# Allegro board 8880F5-0827_6.brd (continued)
## Routing (per net, layer and track width the routed paths; a pad name or vN(x,y) marks a point on that pad's centre or on a via; arc(x,y) is an arc through that point) (continued)
104.14,36.37 ; D132.A8 103.33,35.56 ; 342.9,395.43 D116.A3 ; D116.A3 342.9,397.05 ; D116.A3 342.09,396.24 ; D116.A3 343.71,396.24 ; D115.A12 320.85,373.38 ; D115.A12 320.04,372.57 ; D115.A12 320.04,374.19 ; D115.A12 319.23,373.38 ; D119.B14 193.04,61.77 ; D119.B14 193.04,60.15 ; D119.B14 193.85,60.96 ; D119.B14 192.23,60.96 ; D107.B6 393.7,61.77 ; D107.B6 392.89,60.96 ; D107.B6 393.7,60.15 ; D107.B6 394.51,60.96 ; 39.83,35.56 D128.A12 ; D128.A12 40.64,34.75 ; D128.A12 40.64,36.37 ; D128.A12 41.45,35.56 ; D111.A10 399.59,373.38 ; D111.A10 398.78,374.19 ; D111.A10 397.97,373.38 ; D111.A10 398.78,372.57 ; D113.A10 325.12,333.55 ; D113.A10 324.31,332.74 ; D113.A10 325.93,332.74 ; D113.A10 325.12,331.93 ; 44.91,81.28 D126.B14 ; D126.B14 45.72,82.09 ; D126.B14 46.53,81.28 ; D126.B14 45.72,80.47 ; 321.77,375.92 D115.A11 ; D115.A11 323.39,375.92 ; D115.A11 322.58,376.73 ; D115.A11 322.58,375.11 ; 309.88,387.81 D116.B16 ; D116.B16 309.07,388.62 ; D116.B16 309.88,389.43 ; D116.B16 310.69,388.62 ; CSDPS229.B4 193.04,333.55 ; CSDPS229.B4 192.23,332.74 ; CSDPS229.B4 193.85,332.74 ; CSDPS229.B4 193.04,331.93 ; 342.09,38.1 D104.B15 ; D104.B15 342.9,38.91 ; D104.B15 343.71,38.1 ; D104.B15 342.9,37.29 ; 419.1,34.75 D108.A16 ; D108.A16 419.1,36.37 ; D108.A16 418.29,35.56 ; D108.A16 419.91,35.56 ; D113.B15 313.23,330.2 ; D113.B15 312.42,331.01 ; D113.B15 312.42,329.39 ; D113.B15 311.61,330.2 ; 27.13,53.34 D127.A7 ; D127.A7 27.94,54.15 ; D127.A7 28.75,53.34 ; D127.A7 27.94,52.53 ; D106.A10 403.86,77.01 ; D106.A10 404.67,76.2 ; D106.A10 403.86,75.39 ; D106.A10 403.05,76.2 ; D123.A2 236.22,56.69 ; D123.A2 237.03,55.88 ; D123.A2 235.41,55.88 ; D123.A2 236.22,55.07 ; CSDPS225.C13 243.84,331.01 ; CSDPS225.C13 243.03,330.2 ; CSDPS225.C13 244.65,330.2 ; CSDPS225.C13 243.84,329.39 ; 342.09,375.92 D115.A3 ; D115.A3 342.9,376.73 ; D115.A3 342.9,375.11 ; D115.A3 343.71,375.92 ; 233.68,57.61 D123.B1 ; D123.B1 234.49,58.42 ; D123.B1 232.87,58.42 ; D123.B1 233.68,59.23 ; 345.44,372.57 D115.A2 ; D115.A2 344.63,373.38 ; D115.A2 346.25,373.38 ; D115.A2 345.44,374.19 ; 416.56,375.11 D111.A3 ; D111.A3 416.56,376.73 ; D111.A3 417.37,375.92 ; D111.A3 415.75,375.92 ; D118.A2 162.56,77.01 ; D118.A2 162.56,75.39 ; D118.A2 161.75,76.2 ; D118.A2 163.37,76.2 ; D302.B13 337.82,69.29 ; D302.B13 338.53,68.58 ; D302.B13 337.82,67.87 ; D302.B13 337.11,68.58 ; D317.B2 163.27,91.44 ; D317.B2 162.56,90.73 ; D317.B2 162.56,92.15 ; D317.B2 161.85,91.44 ; D305.A16 419.81,86.36 ; D305.A16 418.39,86.36 ; D305.A16 419.1,87.07 ; D305.A16 419.1,85.65 ; 264.16,329.39 CSDPS225.C5 ; CSDPS225.C5 264.97,330.2 ; CSDPS225.C5 263.35,330.2 ; CSDPS225.C5 264.16,331.01 ; DPS2.C01 348.79,410.21 ; DPS2.C01 347.98,411.02 ; DPS2.C01 347.98,409.4 ; DPS2.C01 347.17,410.21 ; 258.27,78.74 D122.B11 ; D122.B11 259.89,78.74 ; D122.B11 259.08,79.55 ; D122.B11 259.08,77.93 ; D129.B16 124.46,102.41 ; D129.B16 125.27,101.6 ; D129.B16 124.46,100.79 ; D129.B16 123.65,101.6 ; D305.A1 381.71,83.82 ; D305.A1 381,83.11 ; D305.A1 380.29,83.82 ; D305.A1 381,84.53 ; D114.B5 338.63,350.52 ; D114.B5 337.82,351.33 ; D114.B5 337.82,349.71 ; D114.B5 337.01,350.52 ; 266.7,70.41 D322.B14 ; D322.B14 267.41,71.12 ; D322.B14 265.99,71.12 ; D322.B14 266.7,71.83 ; 108.41,60.96 D131.B10 ; D131.B10 110.03,60.96 ; D131.B10 109.22,60.15 ; D131.B10 109.22,61.77 ; D107.B10 403.86,61.77 ; D107.B10 403.86,60.15 ; D107.B10 403.05,60.96 ; D107.B10 404.67,60.96 ; SITE1.G2 249.33,241.81 ; SITE1.G2 248.85,241.33 ; SITE1.G2 249.81,241.33 ; SITE1.G2 249.33,240.85 ; 408.94,352.25 D110.A6 ; D110.A6 408.94,353.87 ; D110.A6 409.75,353.06 ; D110.A6 408.13,353.06 ; DPS8.A11 175.26,416.1 ; DPS8.A11 174.45,415.29 ; DPS8.A11 175.26,414.48 ; DPS8.A11 176.07,415.29 ; 104.14,39.83 D132.B8 ; D132.B8 104.14,41.45 ; D132.B8 104.95,40.64 ; D132.B8 103.33,40.64 ; 29.67,101.6 D125.B8 ; D125.B8 30.48,100.79 ; D125.B8 31.29,101.6 ; D125.B8 30.48,102.41 ; D231.B4 193.04,369.11 ; D231.B4 193.04,367.49 ; D231.B4 193.85,368.3 ; D231.B4 192.23,368.3 ; 416.56,18.24 DPS1.C15 ; DPS1.C15 416.56,19.86 ; DPS1.C15 415.75,19.05 ; DPS1.C15 417.37,19.05 ; D305.A12 408.94,87.07 ; D305.A12 409.65,86.36 ; D305.A12 408.94,85.65 ; D305.A12 408.23,86.36 ; D128.B13 43.99,38.1 ; D128.B13 43.18,38.91 ; D128.B13 43.18,37.29 ; D128.B13 42.37,38.1 ; CSDPS425.C13 244.65,340.36 ; CSDPS425.C13 243.84,339.55 ; CSDPS425.C13 243.03,340.36 ; CSDPS425.C13 243.84,341.17 ; 182.88,75.39 D118.A10 ; D118.A10 182.07,76.2 ; D118.A10 182.88,77.01 ; D118.A10 183.69,76.2 ; D124.B3 239.57,38.1 ; D124.B3 238.76,37.29 ; D124.B3 237.95,38.1 ; D124.B3 238.76,38.91 ; 93.98,55.07 D131.A4 ; D131.A4 93.98,56.69 ; D131.A4 93.17,55.88 ; D131.A4 94.79,55.88 ; D109.B10 399.59,327.66 ; D109.B10 398.78,328.47 ; D109.B10 397.97,327.66 ; D109.B10 398.78,326.85 ; 408.13,332.74 D109.A6 ; D109.A6 408.94,333.55 ; D109.A6 408.94,331.93 ; D109.A6 409.75,332.74 ; 324.31,55.88 D103.A8 ; D103.A8 325.12,55.07 ; D103.A8 325.93,55.88 ; D103.A8 325.12,56.69 ; 337.82,77.93 D102.B13 ; D102.B13 337.82,79.55 ; D102.B13 337.01,78.74 ; D102.B13 338.63,78.74 ; SITE1.G8 249.33,248.41 ; SITE1.G8 249.33,247.45 ; SITE1.G8 248.85,247.93 ; SITE1.G8 249.81,247.93 ; D102.B3 313.23,78.74 ; D102.B3 312.42,79.55 ; D102.B3 311.61,78.74 ; D102.B3 312.42,77.93 ; 194.87,88.9 D317.B15 ; D317.B15 195.58,88.19 ; D317.B15 195.58,89.61 ; D317.B15 196.29,88.9 ; D431.A17 160.02,386.89 ; D431.A17 160.83,386.08 ; D431.A17 160.02,385.27 ; D431.A17 159.21,386.08 ; 332.03,83.82 D301.A11 ; D301.A11 332.74,84.53 ; D301.A11 332.74,83.11 ; D301.A11 333.45,83.82 ; 195.58,83.11 D317.A15 ; D317.A15 196.29,83.82 ; D317.A15 195.58,84.53 ; D317.A15 194.87,83.82 ; D321.B1 234.39,88.9 ; D321.B1 232.97,88.9 ; D321.B1 233.68,89.61 ; D321.B1 233.68,88.19 ; 320.04,392.89 D116.A12 ; D116.A12 320.04,394.51 ; D116.A12 319.23,393.7 ; D116.A12 320.85,393.7 ; D131.A8 104.14,56.69 ; D131.A8 104.95,55.88 ; D131.A8 103.33,55.88 ; D131.A8 104.14,55.07 ; 386.08,88.19 D305.B3 ; D305.B3 386.79,88.9 ; D305.B3 386.08,89.61 ; D305.B3 385.37,88.9 ; D119.A15 196.39,53.34 ; D119.A15 195.58,54.15 ; D119.A15 195.58,52.53 ; D119.A15 194.77,53.34 ; D129.B7 102.41,99.06 ; D129.B7 101.6,99.87 ; D129.B7 101.6,98.25 ; D129.B7 100.79,99.06 ; D111.A11 397.05,375.92 ; D111.A11 396.24,375.11 ; D111.A11 396.24,376.73 ; D111.A11 395.43,375.92 ; 268.53,68.58 D322.B15 ; D322.B15 269.95,68.58 ; D322.B15 269.24,67.87 ; D322.B15 269.24,69.29 ; 175.26,67.87 D318.B7 ; D318.B7 174.55,68.58 ; D318.B7 175.26,69.29 ; D318.B7 175.97,68.58 ; 256.54,75.39 D122.A10 ; D122.A10 257.35,76.2 ; D122.A10 256.54,77.01 ; D122.A10 255.73,76.2 ; D431.B8 183.69,378.46 ; D431.B8 182.88,377.65 ; D431.B8 182.88,379.27 ; D431.B8 182.07,378.46 ; 22.05,78.74 D126.B5 ; D126.B5 23.67,78.74 ; D126.B5 22.86,77.93 ; D126.B5 22.86,79.55 ; 413.31,71.12 D306.B14 ; D306.B14 414.02,70.41 ; D306.B14 414.73,71.12 ; D306.B14 414.02,71.83 ; D301.B16 346.15,91.44 ; D301.B16 344.73,91.44 ; D301.B16 345.44,90.73 ; D301.B16 345.44,92.15 ; D106.A13 411.48,74.47 ; D106.A13 412.29,73.66 ; D106.A13 410.67,73.66 ; D106.A13 411.48,72.85 ; D110.A2 419.1,353.87 ; D110.A2 418.29,353.06 ; D110.A2 419.1,352.25 ; D110.A2 419.91,353.06 ; D108.A2 383.54,36.37 ; D108.A2 383.54,34.75 ; D108.A2 384.35,35.56 ; D108.A2 382.73,35.56 ; D109.B11 396.24,331.01 ; D109.B11 397.05,330.2 ; D109.B11 396.24,329.39 ; D109.B11 395.43,330.2 ; D231.B13 170.18,371.65 ; D231.B13 170.18,370.03 ; D231.B13 170.99,370.84 ; D231.B13 169.37,370.84 ; 100.79,73.66 D130.A7 ; D130.A7 101.6,72.85 ; D130.A7 102.41,73.66 ; D130.A7 101.6,74.47 ; D431.A13 170.99,386.08 ; D431.A13 170.18,385.27 ; D431.A13 169.37,386.08 ; D431.A13 170.18,386.89 ; D114.A2 345.44,353.87 ; D114.A2 346.25,353.06 ; D114.A2 345.44,352.25 ; D114.A2 344.63,353.06 ; D130.B7 101.6,79.55 ; D130.B7 101.6,77.93 ; D130.B7 102.41,78.74 ; D130.B7 100.79,78.74 ; 418.29,81.28 D106.B16 ; D106.B16 419.91,81.28 ; D106.B16 419.1,82.09 ; D106.B16 419.1,80.47 ; 164.29,375.92 D231.A15 ; D231.A15 165.91,375.92 ; D231.A15 165.1,375.11 ; D231.A15 165.1,376.73 ; D131.B3 92.25,58.42 ; D131.B3 90.63,58.42 ; D131.B3 91.44,57.61 ; D131.B3 91.44,59.23 ; 403.05,388.62 D112.B8 ; D112.B8 403.86,387.81 ; D112.B8 403.86,389.43 ; D112.B8 404.67,388.62 ; D112.A16 384.35,393.7 ; D112.A16 383.54,392.89 ; D112.A16 382.73,393.7 ; D112.A16 383.54,394.51 ; D127.B15 49.07,58.42 ; D127.B15 48.26,59.23 ; D127.B15 48.26,57.61 ; D127.B15 47.45,58.42 ; 33.02,32.21 D128.A9 ; D128.A9 32.21,33.02 ; D128.A9 33.02,33.83 ; D128.A9 33.83,33.02 ; 317.5,329.39 D113.B13 ; D113.B13 318.31,330.2 ; D113.B13 317.5,331.01 ; D113.B13 316.69,330.2 ; D131.B14 120.19,60.96 ; D131.B14 118.57,60.96 ; D131.B14 119.38,61.77 ; D131.B14 119.38,60.15 ; 165.1,329.39 CSDPS229.C15 ; CSDPS229.C15 165.1,331.01 ; CSDPS229.C15 164.29,330.2 ; CSDPS229.C15 165.91,330.2 ; D124.A11 259.89,33.02 ; D124.A11 259.08,33.83 ; D124.A11 258.27,33.02 ; D124.A11 259.08,32.21 ; CSDPS429.B10 178.61,342.9 ; CSDPS429.B10 177.8,343.71 ; CSDPS429.B10 177.8,342.09 ; CSDPS429.B10 176.99,342.9 ; 266.7,39.83 D124.B14 ; D124.B14 267.51,40.64 ; D124.B14 266.7,41.45 ; D124.B14 265.89,40.64 ; 197.41,91.44 D317.B16 ; D317.B16 198.83,91.44 ; D317.B16 198.12,90.73 ; D317.B16 198.12,92.15 ; D128.A1 12.7,33.83 ; D128.A1 11.89,33.02 ; D128.A1 12.7,32.21 ; D128.A1 13.51,33.02 ; 185.42,370.03 D231.B7 ; D231.B7 184.61,370.84 ; D231.B7 186.23,370.84 ; D231.B7 185.42,371.65 ; 311.71,88.9 D301.B3 ; D301.B3 312.42,89.61 ; D301.B3 312.42,88.19 ; D301.B3 313.13,88.9 ; D110.A7 406.4,356.41 ; D110.A7 407.21,355.6 ; D110.A7 405.59,355.6 ; D110.A7 406.4,354.79 ; 398.07,66.04 D306.A8 ; D306.A8 398.78,65.33 ; D306.A8 398.78,66.75 ; D306.A8 399.49,66.04 ; D125.B3 17.78,99.87 ; D125.B3 16.97,99.06 ; D125.B3 17.78,98.25 ; D125.B3 18.59,99.06 ; 109.22,95.71 D129.A10 ; D129.A10 109.22,97.33 ; D129.A10 110.03,96.52 ; D129.A10 108.41,96.52 ; D130.B1 87.17,78.74 ; D130.B1 86.36,77.93 ; D130.B1 86.36,79.55 ; D130.B1 85.55,78.74 ; 251.33,187.45 SITE3.G10 ; SITE3.G10 251.33,188.41 ; SITE3.G10 250.85,187.93 ; SITE3.G10 251.81,187.93 ; D120.B15 195.58,38.91 ; D120.B15 194.77,38.1 ; D120.B15 196.39,38.1 ; D120.B15 195.58,37.29 ; 180.34,329.39 CSDPS229.C9 ; CSDPS229.C9 179.53,330.2 ; CSDPS229.C9 180.34,331.01 ; CSDPS229.C9 181.15,330.2 ; 250.65,35.56 D124.A8 ; D124.A8 252.27,35.56 ; D124.A8 251.46,34.75 ; D124.A8 251.46,36.37 ; D129.A14 119.38,97.33 ; D129.A14 120.19,96.52 ; D129.A14 119.38,95.71 ; D129.A14 118.57,96.52 ; CSDPS425.C7 259.89,340.36 ; CSDPS425.C7 259.08,339.55 ; CSDPS425.C7 259.08,341.17 ; CSDPS425.C7 258.27,340.36 ; 342.19,68.58 D302.B15 ; D302.B15 343.61,68.58 ; D302.B15 342.9,67.87 ; D302.B15 342.9,69.29 ; 314.25,91.44 D301.B4 ; D301.B4 315.67,91.44 ; D301.B4 314.96,92.15 ; D301.B4 314.96,90.73 ; D106.A12 409.75,76.2 ; D106.A12 408.94,75.39 ; D106.A12 408.13,76.2 ; D106.A12 408.94,77.01 ; 306.53,53.34 D103.A1 ; D103.A1 307.34,52.53 ; D103.A1 308.15,53.34 ; D103.A1 307.34,54.15 ; SITE1.G20 253.11,246.43 ; SITE1.G20 252.15,246.43 ; SITE1.G20 252.63,246.91 ; SITE1.G20 252.63,245.95 ; D109.B14 389.43,327.66 ; D109.B14 387.81,327.66 ; D109.B14 388.62,326.85 ; D109.B14 388.62,328.47 ; D322.A15 269.95,63.5 ; D322.A15 269.24,62.79 ; D322.A15 269.24,64.21 ; D322.A15 268.53,63.5 ; D111.B6 408.94,369.11 ; D111.B6 408.13,368.3 ; D111.B6 409.75,368.3 ; D111.B6 408.94,367.49 ; DPS2.C15 312.42,411.02 ; DPS2.C15 312.42,409.4 ; DPS2.C15 313.23,410.21 ; DPS2.C15 311.61,410.21 ; 243.84,13.16 DPS3.A05 ; DPS3.A05 243.84,14.78 ; DPS3.A05 243.03,13.97 ; DPS3.A05 244.65,13.97 ; D123.B6 246.38,61.77 ; D123.B6 247.19,60.96 ; D123.B6 245.57,60.96 ; D123.B6 246.38,60.15 ; D123.B2 236.22,61.77 ; D123.B2 237.03,60.96 ; D123.B2 236.22,60.15 ; D123.B2 235.41,60.96 ; 243.84,37.29 D124.B5 ; D124.B5 244.65,38.1 ; D124.B5 243.03,38.1 ; D124.B5 243.84,38.91 ; D301.B7 323.29,88.9 ; D301.B7 322.58,89.61 ; D301.B7 322.58,88.19 ; D301.B7 321.87,88.9 ; D302.B16 346.15,71.12 ; D302.B16 345.44,71.83 ; D302.B16 344.73,71.12 ; D302.B16 345.44,70.41 ; D306.B5 391.16,69.29 ; D306.B5 390.45,68.58 ; D306.B5 391.16,67.87 ; D306.B5 391.87,68.58 ; 165.1,339.55 CSDPS429.C15 ; CSDPS429.C15 165.1,341.17 ; CSDPS429.C15 165.91,340.36 ; CSDPS429.C15 164.29,340.36 ; D131.B8 104.14,61.77 ; D131.B8 104.14,60.15 ; D131.B8 103.33,60.96 ; D131.B8 104.95,60.96 ; 169.37,375.92 D231.A13 ; D231.A13 170.99,375.92 ; D231.A13 170.18,376.73 ; D231.A13 170.18,375.11 ; SITE3.G8 249.33,188.41 ; SITE3.G8 249.81,187.93 ; SITE3.G8 248.85,187.93 ; SITE3.G8 249.33,187.45 ; D306.B9 402.03,68.58 ; D306.B9 400.61,68.58 ; D306.B9 401.32,67.87 ; D306.B9 401.32,69.29 ; 415.85,88.9 D305.B15 ; D305.B15 416.56,88.19 ; D305.B15 416.56,89.61 ; D305.B15 417.27,88.9 ; CSDPS225.C9 254,331.01 ; CSDPS225.C9 254.81,330.2 ; CSDPS225.C9 254,329.39 ; CSDPS225.C9 253.19,330.2 ; 410.77,88.9 D305.B13 ; D305.B13 411.48,88.19 ; D305.B13 412.19,88.9 ; D305.B13 411.48,89.61 ; 245.57,35.56 D124.A6 ; D124.A6 246.38,36.37 ; D124.A6 246.38,34.75 ; D124.A6 247.19,35.56 ; 110.95,38.1 D132.B11 ; D132.B11 112.57,38.1 ; D132.B11 111.76,38.91 ; D132.B11 111.76,37.29 ; 314.96,326.85 D113.B14 ; D113.B14 314.96,328.47 ; D113.B14 314.15,327.66 ; D113.B14 315.77,327.66 ; 165.1,385.27 D431.A15 ; D431.A15 165.91,386.08 ; D431.A15 165.1,386.89 ; D431.A15 164.29,386.08 ; 326.95,88.9 D301.B9 ; D301.B9 328.37,88.9 ; D301.B9 327.66,89.61 ; D301.B9 327.66,88.19 ; 311.61,53.34 D103.A3 ; D103.A3 313.23,53.34 ; D103.A3 312.42,54.15 ; D103.A3 312.42,52.53 ; 113.49,35.56 D132.A12 ; D132.A12 115.11,35.56 ; D132.A12 114.3,34.75 ; D132.A12 114.3,36.37 ; D322.B1 233.68,69.29 ; D322.B1 232.97,68.58 ; D322.B1 233.68,67.87 ; D322.B1 234.39,68.58 ; D120.A12 188.77,35.56 ; D120.A12 187.15,35.56 ; D120.A12 187.96,36.37 ; D120.A12 187.96,34.75 ; D113.A4 340.36,333.55 ; D113.A4 339.55,332.74 ; D113.A4 341.17,332.74 ; D113.A4 340.36,331.93 ; 243.84,57.61 D123.B5 ; D123.B5 244.65,58.42 ; D123.B5 243.84,59.23 ; D123.B5 243.03,58.42 ; 403.05,35.56 D108.A10 ; D108.A10 403.86,36.37 ; D108.A10 403.86,34.75 ; D108.A10 404.67,35.56 ; D102.A9 327.66,74.47 ; D102.A9 327.66,72.85 ; D102.A9 328.47,73.66 ; D102.A9 326.85,73.66 ; 243.84,32.21 D124.A5 ; D124.A5 244.65,33.02 ; D124.A5 243.84,33.83 ; D124.A5 243.03,33.02 ; 121.92,32.21 D132.A15 ; D132.A15 121.92,33.83 ; D132.A15 122.73,33.02 ; D132.A15 121.11,33.02 ; 340.36,75.39 D102.A14 ; D102.A14 340.36,77.01 ; D102.A14 339.55,76.2 ; D102.A14 341.17,76.2 ; 334.47,327.66 D113.B6 ; D113.B6 335.28,328.47 ; D113.B6 335.28,326.85 ; D113.B6 336.09,327.66 ; 172.72,65.33 D318.A6 ; D318.A6 173.43,66.04 ; D318.A6 172.72,66.75 ; D318.A6 172.01,66.04 ; 331.93,53.34 D103.A11 ; D103.A11 332.74,54.15 ; D103.A11 333.55,53.34 ; D103.A11 332.74,52.53 ; D306.A13 412.19,63.5 ; D306.A13 410.77,63.5 ; D306.A13 411.48,62.79 ; D306.A13 411.48,64.21 ; D131.B1 86.36,59.23 ; D131.B1 85.55,58.42 ; D131.B1 87.17,58.42 ; D131.B1 86.36,57.61 ; 405.59,73.66 D106.A11 ; D106.A11 406.4,72.85 ; D106.A11 407.21,73.66 ; D106.A11 406.4,74.47 ; D106.A4 389.43,76.2 ; D106.A4 388.62,77.01 ; D106.A4 387.81,76.2 ; D106.A4 388.62,75.39 ; 255.83,66.04 D322.A10 ; D322.A10 257.25,66.04 ; D322.A10 256.54,65.33 ; D322.A10 256.54,66.75 ; 337.01,410.21 DPS2.C05 ; DPS2.C05 338.63,410.21 ; DPS2.C05 337.82,409.4 ; DPS2.C05 337.82,411.02 ; D128.B1 13.51,38.1 ; D128.B1 11.89,38.1 ; D128.B1 12.7,38.91 ; D128.B1 12.7,37.29 ; 317.5,83.11 D301.A5 ; D301.A5 317.5,84.53 ; D301.A5 316.79,83.82 ; D301.A5 318.21,83.82 ; 333.33,240.85 SITE2.G6 ; SITE2.G6 333.81,241.33 ; SITE2.G6 332.85,241.33 ; SITE2.G6 333.33,241.81 ; D118.A6 173.53,76.2 ; D118.A6 172.72,77.01 ; D118.A6 171.91,76.2 ; D118.A6 172.72,75.39 ; D123.A14 266.7,56.69 ; D123.A14 266.7,55.07 ; D123.A14 265.89,55.88 ; D123.A14 267.51,55.88 ; D129.A8 104.95,96.52 ; D129.A8 104.14,95.71 ; D129.A8 104.14,97.33 ; D129.A8 103.33,96.52 ; D116.A5 337.82,397.05 ; D116.A5 337.01,396.24 ; D116.A5 338.63,396.24 ; D116.A5 337.82,395.43 ; 93.17,76.2 D130.A4 ; D130.A4 93.98,75.39 ; D130.A4 94.79,76.2 ; D130.A4 93.98,77.01 ; D127.B6 26.21,60.96 ; D127.B6 25.4,60.15 ; D127.B6 24.59,60.96 ; D127.B6 25.4,61.77 ; 182.88,34.75 D120.A10 ; D120.A10 182.88,36.37 ; D120.A10 183.69,35.56 ; D120.A10 182.07,35.56 ; 159.21,58.42 D119.B1 ; D119.B1 160.02,57.61 ; D119.B1 160.02,59.23 ; D119.B1 160.83,58.42 ; 337.11,63.5 D302.A13 ; D302.A13 337.82,64.21 ; D302.A13 338.53,63.5 ; D302.A13 337.82,62.79 ; 249.75,242.83 SITE1.G14 ; SITE1.G14 250.23,243.31 ; SITE1.G14 250.71,242.83 ; SITE1.G14 250.23,242.35 ; 311.61,370.84 D115.B15 ; D115.B15 313.23,370.84 ; D115.B15 312.42,370.03 ; D115.B15 312.42,371.65 ; 410.67,350.52 D110.B5 ; D110.B5 411.48,351.33 ; D110.B5 412.29,350.52 ; D110.B5 411.48,349.71 ; 190.5,52.53 D119.A13 ; D119.A13 191.31,53.34 ; D119.A13 190.5,54.15 ; D119.A13 189.69,53.34 ; D112.B9 401.32,391.97 ; D112.B9 402.13,391.16 ; D112.B9 401.32,390.35 ; D112.B9 400.51,391.16 ; D131.A12 114.3,56.69 ; D131.A12 114.3,55.07 ; D131.A12 113.49,55.88 ; D131.A12 115.11,55.88 ; D115.B1 348.79,370.84 ; D115.B1 347.98,370.03 ; D115.B1 347.17,370.84 ; D115.B1 347.98,371.65 ; 387.91,66.04 D306.A4 ; D306.A4 389.33,66.04 ; D306.A4 388.62,65.33 ; D306.A4 388.62,66.75 ; D119.B9 181.15,58.42 ; D119.B9 180.34,57.61 ; D119.B9 180.34,59.23 ; D119.B9 179.53,58.42 ; 406.4,37.29 D108.B11 ; D108.B11 406.4,38.91 ; D108.B11 407.21,38.1 ; D108.B11 405.59,38.1 ; 27.13,58.42 D127.B7 ; D127.B7 27.94,57.61 ; D127.B7 28.75,58.42 ; D127.B7 27.94,59.23 ; 400.51,370.84 D111.B9 ; D111.B9 401.32,371.65 ; D111.B9 401.32,370.03 ; D111.B9 402.13,370.84 ; 256.54,60.15 D123.B10 ; D123.B10 255.73,60.96 ; D123.B10 256.54,61.77 ; D123.B10 257.35,60.96 ; 415.75,58.42 D107.B15 ; D107.B15 417.37,58.42 ; D107.B15 416.56,59.23 ; D107.B15 416.56,57.61 ; D118.B12 188.77,81.28 ; D118.B12 187.96,82.09 ; D118.B12 187.15,81.28 ; D118.B12 187.96,80.47 ; D108.B7 397.05,38.1 ; D108.B7 396.24,37.29 ; D108.B7 396.24,38.91 ; D108.B7 395.43,38.1 ; D116.B10 325.93,388.62 ; D116.B10 324.31,388.62 ; D116.B10 325.12,389.43 ; D116.B10 325.12,387.81 ; 314.96,65.33 D302.A4 ; D302.A4 314.96,66.75 ; D302.A4 315.67,66.04 ; D302.A4 314.25,66.04 ; D107.A4 388.62,56.69 ; D107.A4 389.43,55.88 ; D107.A4 388.62,55.07 ; D107.A4 387.81,55.88 ; 395.43,73.66 D106.A7 ; D106.A7 396.24,72.85 ; D106.A7 396.24,74.47 ; D106.A7 397.05,73.66 ; 161.75,60.96 D119.B2 ; D119.B2 162.56,60.15 ; D119.B2 162.56,61.77 ; D119.B2 163.37,60.96 ; D305.B11 406.4,89.61 ; D305.B11 405.69,88.9 ; D305.B11 406.4,88.19 ; D305.B11 407.11,88.9 ; D431.B9 181.15,381 ; D431.B9 180.34,380.19 ; D431.B9 179.53,381 ; D431.B9 180.34,381.81 ; 256.54,342.09 CSDPS425.B8 ; CSDPS425.B8 256.54,343.71 ; CSDPS425.B8 255.73,342.9 ; CSDPS425.B8 257.35,342.9 ; D119.B11 186.23,58.42 ; D119.B11 185.42,57.61 ; D119.B11 184.61,58.42 ; D119.B11 185.42,59.23 ; 263.35,38.1 D124.B13 ; D124.B13 264.16,38.91 ; D124.B13 264.97,38.1 ; D124.B13 264.16,37.29 ; 253.33,247.45 SITE1.G12 ; SITE1.G12 253.33,248.41 ; SITE1.G12 253.81,247.93 ; SITE1.G12 252.85,247.93 ; 395.43,355.6 D110.A11 ; D110.A11 397.05,355.6 ; D110.A11 396.24,356.41 ; D110.A11 396.24,354.79 ; 106.68,57.61 D131.B9 ; D131.B9 105.87,58.42 ; D131.B9 107.49,58.42 ; D131.B9 106.68,59.23 ; 309.88,60.15 D103.B2 ; D103.B2 309.88,61.77 ; D103.B2 309.07,60.96 ; D103.B2 310.69,60.96 ; 233.68,37.29 D124.B1 ; D124.B1 233.68,38.91 ; D124.B1 234.49,38.1 ; D124.B1 232.87,38.1 ; 395.53,83.82 D305.A7 ; D305.A7 396.24,84.53 ; D305.A7 396.95,83.82 ; D305.A7 396.24,83.11 ; 322.58,395.43 D116.A11 ; D116.A11 321.77,396.24 ; D116.A11 322.58,397.05 ; D116.A11 323.39,396.24 ; D128.A15 48.26,33.83 ; D128.A15 47.45,33.02 ; D128.A15 49.07,33.02 ; D128.A15 48.26,32.21 ; D431.A10 178.61,383.54 ; D431.A10 177.8,382.73 ; D431.A10 177.8,384.35 ; D431.A10 176.99,383.54 ; D108.A15 417.37,33.02 ; D108.A15 416.56,33.83 ; D108.A15 415.75,33.02 ; D108.A15 416.56,32.21 ; 325.12,326.85 D113.B10 ; D113.B10 324.31,327.66 ; D113.B10 325.93,327.66 ; D113.B10 325.12,328.47 ; SITE4.G9 330.33,188.41 ; SITE4.G9 330.33,187.45 ; SITE4.G9 330.81,187.93 ; SITE4.G9 329.85,187.93 ; SITE1.G11 252.33,248.41 ; SITE1.G11 251.85,247.93 ; SITE1.G11 252.81,247.93 ; SITE1.G11 252.33,247.45 ; SITE3.G3 250.81,181.33 ; SITE3.G3 250.33,181.81 ; SITE3.G3 250.33,180.85 ; SITE3.G3 249.85,181.33 ; 192.23,342.9 CSDPS429.B4 ; CSDPS429.B4 193.04,342.09 ; CSDPS429.B4 193.04,343.71 ; CSDPS429.B4 193.85,342.9 ; D106.A2 384.35,76.2 ; D106.A2 383.54,77.01 ; D106.A2 383.54,75.39 ; D106.A2 382.73,76.2 ; 187.96,90.73 D317.B12 ; D317.B12 187.96,92.15 ; D317.B12 188.67,91.44 ; D317.B12 187.25,91.44 ; 319.23,81.28 D102.B6 ; D102.B6 320.85,81.28 ; D102.B6 320.04,80.47 ; D102.B6 320.04,82.09 ; 34.75,76.2 D126.A10 ; D126.A10 35.56,77.01 ; D126.A10 36.37,76.2 ; D126.A10 35.56,75.39 ; D112.A15 386.89,396.24 ; D112.A15 385.27,396.24 ; D112.A15 386.08,395.43 ; D112.A15 386.08,397.05 ; D112.A13 391.16,397.05 ; D112.A13 391.16,395.43 ; D112.A13 391.97,396.24 ; D112.A13 390.35,396.24 ; 345.44,60.15 D103.B16 ; D103.B16 346.25,60.96 ; D103.B16 345.44,61.77 ; D103.B16 344.63,60.96 ; D119.A4 168.45,55.88 ; D119.A4 166.83,55.88 ; D119.A4 167.64,55.07 ; D119.A4 167.64,56.69 ; D127.A14 45.72,56.69 ; D127.A14 44.91,55.88 ; D127.A14 46.53,55.88 ; D127.A14 45.72,55.07 ; 330.2,75.39 D102.A10 ; D102.A10 329.39,76.2 ; D102.A10 330.2,77.01 ; D102.A10 331.01,76.2 ; 101.6,52.53 D131.A7 ; D131.A7 100.79,53.34 ; D131.A7 101.6,54.15 ; D131.A7 102.41,53.34 ; D127.A8 31.29,55.88 ; D127.A8 30.48,55.07 ; D127.A8 30.48,56.69 ; D127.A8 29.67,55.88 ; D108.B1 381,38.91 ; D108.B1 381,37.29 ; D108.B1 380.19,38.1 ; D108.B1 381.81,38.1 ; DPS3.A15 269.24,14.78 ; DPS3.A15 268.43,13.97 ; DPS3.A15 270.05,13.97 ; DPS3.A15 269.24,13.16 ; 414.02,387.81 D112.B4 ; D112.B4 414.02,389.43 ; D112.B4 413.21,388.62 ; D112.B4 414.83,388.62 ; D127.B4 20.32,61.77 ; D127.B4 21.13,60.96 ; D127.B4 19.51,60.96 ; D127.B4 20.32,60.15 ; D306.B3 386.08,69.29 ; D306.B3 386.08,67.87 ; D306.B3 385.37,68.58 ; D306.B3 386.79,68.58 ; 246.38,65.33 D322.A6 ; D322.A6 246.38,66.75 ; D322.A6 245.67,66.04 ; D322.A6 247.09,66.04 ; D302.A5 317.5,64.21 ; D302.A5 317.5,62.79 ; D302.A5 316.79,63.5 ; D302.A5 318.21,63.5 ; 339.55,60.96 D103.B14 ; D103.B14 341.17,60.96 ; D103.B14 340.36,61.77 ; D103.B14 340.36,60.15 ; 330.2,387.81 D116.B8 ; D116.B8 330.2,389.43 ; D116.B8 329.39,388.62 ; D116.B8 331.01,388.62 ; 329.03,185.95 SITE4.G17 ; SITE4.G17 329.03,186.91 ; SITE4.G17 329.51,186.43 ; SITE4.G17 328.55,186.43 ; 96.52,98.25 D129.B5 ; D129.B5 96.52,99.87 ; D129.B5 95.71,99.06 ; D129.B5 97.33,99.06 ; D115.B5 337.82,371.65 ; D115.B5 337.01,370.84 ; D115.B5 338.63,370.84 ; D115.B5 337.82,370.03 ; 160.02,370.03 D231.B17 ; D231.B17 160.02,371.65 ; D231.B17 159.21,370.84 ; D231.B17 160.83,370.84 ; 263.35,340.36 CSDPS425.C5 ; CSDPS425.C5 264.97,340.36 ; CSDPS425.C5 264.16,341.17 ; CSDPS425.C5 264.16,339.55 ; DPS8.A05 191.31,415.29 ; DPS8.A05 189.69,415.29 ; DPS8.A05 190.5,416.1 ; DPS8.A05 190.5,414.48 ; 170.18,339.55 CSDPS429.C13 ; CSDPS429.C13 170.99,340.36 ; CSDPS429.C13 170.18,341.17 ; CSDPS429.C13 169.37,340.36 ; D112.A2 419.1,394.51 ; D112.A2 419.91,393.7 ; D112.A2 419.1,392.89 ; D112.A2 418.29,393.7 ; 324.31,40.64 D104.B8 ; D104.B8 325.12,41.45 ; D104.B8 325.93,40.64 ; D104.B8 325.12,39.83 ; D110.A5 411.48,356.41 ; D110.A5 410.67,355.6 ; D110.A5 411.48,354.79 ; D110.A5 412.29,355.6 ; 271.78,70.41 D322.B16 ; D322.B16 271.78,71.83 ; D322.B16 272.49,71.12 ; D322.B16 271.07,71.12 ; SITE3.G17 249.51,186.43 ; SITE3.G17 249.03,186.91 ; SITE3.G17 248.55,186.43 ; SITE3.G17 249.03,185.95 ; 408.94,392.89 D112.A6 ; D112.A6 409.75,393.7 ; D112.A6 408.94,394.51 ; D112.A6 408.13,393.7 ; DPS1.A15 416.56,14.78 ; DPS1.A15 415.75,13.97 ; DPS1.A15 416.56,13.16 ; DPS1.A15 417.37,13.97 ; D302.B8 325.12,71.83 ; D302.B8 324.41,71.12 ; D302.B8 325.83,71.12 ; D302.B8 325.12,70.41 ; D126.A12 40.64,77.01 ; D126.A12 41.45,76.2 ; D126.A12 39.83,76.2 ; D126.A12 40.64,75.39 ; D322.A7 249.63,63.5 ; D322.A7 248.92,64.21 ; D322.A7 248.92,62.79 ; D322.A7 248.21,63.5 ; D128.A4 21.13,35.56 ; D128.A4 20.32,36.37 ; D128.A4 19.51,35.56 ; D128.A4 20.32,34.75 ; 403.15,71.12 D306.B10 ; D306.B10 404.57,71.12 ; D306.B10 403.86,71.83 ; D306.B10 403.86,70.41 ; D112.B7 406.4,391.97 ; D112.B7 405.59,391.16 ; D112.B7 406.4,390.35 ; D112.B7 407.21,391.16 ; D301.B15 342.9,89.61 ; D301.B15 342.19,88.9 ; D301.B15 342.9,88.19 ; D301.B15 343.61,88.9 ; 406.4,329.39 D109.B7 ; D109.B7 406.4,331.01 ; D109.B7 405.59,330.2 ; D109.B7 407.21,330.2 ; D111.B10 399.59,368.3 ; D111.B10 397.97,368.3 ; D111.B10 398.78,367.49 ; D111.B10 398.78,369.11 ; D123.B14 267.51,60.96 ; D123.B14 266.7,60.15 ; D123.B14 266.7,61.77 ; D123.B14 265.89,60.96 ; 235.41,342.9 CSDPS425.B16 ; CSDPS425.B16 236.22,343.71 ; CSDPS425.B16 236.22,342.09 ; CSDPS425.B16 237.03,342.9 ; SITE2.G16 333.11,242.83 ; SITE2.G16 332.15,242.83 ; SITE2.G16 332.63,243.31 ; SITE2.G16 332.63,242.35 ; DPS8.C01 200.66,411.02 ; DPS8.C01 199.85,410.21 ; DPS8.C01 201.47,410.21 ; DPS8.C01 200.66,409.4 ; 330.95,182.83 SITE4.G15 ; SITE4.G15 331.43,182.35 ; SITE4.G15 331.43,183.31 ; SITE4.G15 331.91,182.83 ; D125.B4 20.32,102.41 ; D125.B4 20.32,100.79 ; D125.B4 21.13,101.6 ; D125.B4 19.51,101.6 ; D118.B7 176.07,78.74 ; D118.B7 175.26,79.55 ; D118.B7 174.45,78.74 ; D118.B7 175.26,77.93 ; D108.A8 398.78,36.37 ; D108.A8 397.97,35.56 ; D108.A8 398.78,34.75 ; D108.A8 399.59,35.56 ; SITE4.G20 333.11,186.43 ; SITE4.G20 332.15,186.43 ; SITE4.G20 332.63,186.91 ; SITE4.G20 332.63,185.95 ; D120.B13 190.5,38.91 ; D120.B13 191.31,38.1 ; D120.B13 190.5,37.29 ; D120.B13 189.69,38.1 ; 403.86,85.65 D305.A10 ; D305.A10 403.15,86.36 ; D305.A10 404.57,86.36 ; D305.A10 403.86,87.07 ; 408.94,34.75 D108.A12 ; D108.A12 409.75,35.56 ; D108.A12 408.94,36.37 ; D108.A12 408.13,35.56 ; 113.49,101.6 D129.B12 ; D129.B12 114.3,102.41 ; D129.B12 115.11,101.6 ; D129.B12 114.3,100.79 ; D102.A6 320.04,77.01 ; D102.A6 319.23,76.2 ; D102.A6 320.85,76.2 ; D102.A6 320.04,75.39 ; SITE2.G11 332.33,248.41 ; SITE2.G11 332.81,247.93 ; SITE2.G11 331.85,247.93 ; SITE2.G11 332.33,247.45 ; D126.A14 45.72,77.01 ; D126.A14 44.91,76.2 ; D126.A14 46.53,76.2 ; D126.A14 45.72,75.39 ; 337.01,53.34 D103.A13 ; D103.A13 337.82,54.15 ; D103.A13 338.63,53.34 ; D103.A13 337.82,52.53 ; D109.A4 414.02,333.55 ; D109.A4 414.83,332.74 ; D109.A4 414.02,331.93 ; D109.A4 413.21,332.74 ; CSDPS425.B4 266.7,343.71 ; CSDPS425.B4 265.89,342.9 ; CSDPS425.B4 266.7,342.09 ; CSDPS425.B4 267.51,342.9 ; D112.A4 414.83,393.7 ; D112.A4 413.21,393.7 ; D112.A4 414.02,394.51 ; D112.A4 414.02,392.89 ; D321.A12 261.62,87.07 ; D321.A12 261.62,85.65 ; D321.A12 260.91,86.36 ; D321.A12 262.33,86.36 ; D126.A4 20.32,77.01 ; D126.A4 21.13,76.2 ; D126.A4 20.32,75.39 ; D126.A4 19.51,76.2 ; 322.58,77.93 D102.B7 ; D102.B7 321.77,78.74 ; D102.B7 323.39,78.74 ; D102.B7 322.58,79.55 ; 246.38,85.65 D321.A6 ; D321.A6 245.67,86.36 ; D321.A6 246.38,87.07 ; D321.A6 247.09,86.36 ; D124.B11 259.08,38.91 ; D124.B11 259.08,37.29 ; D124.B11 259.89,38.1 ; D124.B11 258.27,38.1 ; 34.75,81.28 D126.B10 ; D126.B10 36.37,81.28 ; D126.B10 35.56,80.47 ; D126.B10 35.56,82.09 ; 401.32,395.43 D112.A9 ; D112.A9 400.51,396.24 ; D112.A9 402.13,396.24 ; D112.A9 401.32,397.05 ; 319.23,35.56 D104.A6 ; D104.A6 320.04,36.37 ; D104.A6 320.04,34.75 ; D104.A6 320.85,35.56 ; 170.18,67.87 D318.B5 ; D318.B5 169.47,68.58 ; D318.B5 170.18,69.29 ; D318.B5 170.89,68.58 ; D321.A7 249.63,83.82 ; D321.A7 248.21,83.82 ; D321.A7 248.92,84.53 ; D321.A7 248.92,83.11 ; D107.A10 403.86,56.69 ; D107.A10 403.05,55.88 ; D107.A10 404.67,55.88 ; D107.A10 403.86,55.07 ; D119.B7 176.07,58.42 ; D119.B7 175.26,59.23 ; D119.B7 175.26,57.61 ; D119.B7 174.45,58.42 ; D302.A1 308.05,63.5 ; D302.A1 307.34,64.21 ; D302.A1 306.63,63.5 ; D302.A1 307.34,62.79 ; 82.37,209.04 S3_I2C.4 ; S3_I2C.4 83.31,209.98 ; S3_I2C.4 84.25,209.04 ; S3_I2C.4 83.31,208.1 ; 254,37.29 D124.B9 ; D124.B9 253.19,38.1 ; D124.B9 254,38.91 ; D124.B9 254.81,38.1 ; 70.61,208.1 S1_I2C.4 ; S1_I2C.4 69.67,209.04 ; S1_I2C.4 71.55,209.04 ; S1_I2C.4 70.61,209.98 ; 322.58,67.87 D302.B7 ; D302.B7 322.58,69.29 ; D302.B7 323.29,68.58 ; D302.B7 321.87,68.58 ; D122.A6 247.19,76.2 ; D122.A6 245.57,76.2 ; D122.A6 246.38,75.39 ; D122.A6 246.38,77.01 ; 421.64,370.03 D111.B1 ; D111.B1 420.83,370.84 ; D111.B1 421.64,371.65 ; D111.B1 422.45,370.84 ; D301.B12 335.99,91.44 ; D301.B12 335.28,92.15 ; D301.B12 334.57,91.44 ; D301.B12 335.28,90.73 ; D132.A9 106.68,33.83 ; D132.A9 105.87,33.02 ; D132.A9 107.49,33.02 ; D132.A9 106.68,32.21 ; 332.74,370.03 D115.B7 ; D115.B7 333.55,370.84 ; D115.B7 332.74,371.65 ; D115.B7 331.93,370.84 ; D123.A4 241.3,56.69 ; D123.A4 242.11,55.88 ; D123.A4 240.49,55.88 ; D123.A4 241.3,55.07 ; 103.33,81.28 D130.B8 ; D130.B8 104.14,80.47 ; D130.B8 104.14,82.09 ; D130.B8 104.95,81.28 ; D109.A7 407.21,335.28 ; D109.A7 405.59,335.28 ; D109.A7 406.4,336.09 ; D109.A7 406.4,334.47 ; 314.15,393.7 D116.A14 ; D116.A14 314.96,392.89 ; D116.A14 314.96,394.51 ; D116.A14 315.77,393.7 ; D306.A16 419.81,66.04 ; D306.A16 419.1,66.75 ; D306.A16 419.1,65.33 ; D306.A16 418.39,66.04 ; D317.B7 175.26,89.61 ; D317.B7 175.97,88.9 ; D317.B7 175.26,88.19 ; D317.B7 174.55,88.9 ; 398.07,86.36 D305.A8 ; D305.A8 398.78,85.65 ; D305.A8 399.49,86.36 ; D305.A8 398.78,87.07 ; 105.87,73.66 D130.A9 ; D130.A9 107.49,73.66 ; D130.A9 106.68,74.47 ; D130.A9 106.68,72.85 ; SITE2.G10 331.81,247.93 ; SITE2.G10 331.33,248.41 ; SITE2.G10 330.85,247.93 ; SITE2.G10 331.33,247.45 ; 347.98,414.48 DPS2.A01 ; DPS2.A01 348.79,415.29 ; DPS2.A01 347.17,415.29 ; DPS2.A01 347.98,416.1 ; 253.19,78.74 D122.B9 ; D122.B9 254,77.93 ; D122.B9 254.81,78.74 ; D122.B9 254,79.55 ; 271.78,90.73 D321.B16 ; D321.B16 272.49,91.44 ; D321.B16 271.07,91.44 ; D321.B16 271.78,92.15 ; D120.A16 198.12,36.37 ; D120.A16 198.12,34.75 ; D120.A16 198.93,35.56 ; D120.A16 197.31,35.56 ; 264.16,67.87 D322.B13 ; D322.B13 263.45,68.58 ; D322.B13 264.87,68.58 ; D322.B13 264.16,69.29 ; D322.B9 254.71,68.58 ; D322.B9 254,67.87 ; D322.B9 253.29,68.58 ; D322.B9 254,69.29 ; 88.9,100.79 D129.B2 ; D129.B2 88.9,102.41 ; D129.B2 88.09,101.6 ; D129.B2 89.71,101.6 ; 189.69,386.08 D431.A5 ; D431.A5 190.5,386.89 ; D431.A5 191.31,386.08 ; D431.A5 190.5,385.27 ; D431.A7 185.42,386.89 ; D431.A7 186.23,386.08 ; D431.A7 184.61,386.08 ; D431.A7 185.42,385.27 ; 101.6,93.17 D129.A7 ; D129.A7 101.6,94.79 ; D129.A7 102.41,93.98 ; D129.A7 100.79,93.98 ; 254,339.55 CSDPS425.C9 ; CSDPS425.C9 254,341.17 ; CSDPS425.C9 253.19,340.36 ; CSDPS425.C9 254.81,340.36 ; 415.75,38.1 D108.B15 ; D108.B15 416.56,37.29 ; D108.B15 416.56,38.91 ; D108.B15 417.37,38.1 ; D124.A7 249.73,33.02 ; D124.A7 248.92,32.21 ; D124.A7 248.11,33.02 ; D124.A7 248.92,33.83 ; D231.B1 201.47,370.84 ; D231.B1 199.85,370.84 ; D231.B1 200.66,371.65 ; D231.B1 200.66,370.03 ; 200.66,339.55 CSDPS429.C1 ; CSDPS429.C1 201.47,340.36 ; CSDPS429.C1 200.66,341.17 ; CSDPS429.C1 199.85,340.36 ; D118.B3 165.1,79.55 ; D118.B3 164.29,78.74 ; D118.B3 165.91,78.74 ; D118.B3 165.1,77.93 ; 177.09,91.44 D317.B8 ; D317.B8 177.8,90.73 ; D317.B8 178.51,91.44 ; D317.B8 177.8,92.15 ; D112.A11 396.24,397.05 ; D112.A11 397.05,396.24 ; D112.A11 396.24,395.43 ; D112.A11 395.43,396.24 ; D317.B10 183.59,91.44 ; D317.B10 182.88,92.15 ; D317.B10 182.17,91.44 ; D317.B10 182.88,90.73 ; D130.A5 97.33,73.66 ; D130.A5 96.52,72.85 ; D130.A5 95.71,73.66 ; D130.A5 96.52,74.47 ; 403.05,332.74 D109.A8 ; D109.A8 404.67,332.74 ; D109.A8 403.86,331.93 ; D109.A8 403.86,333.55 ; SITE3.G9 250.33,188.41 ; SITE3.G9 250.33,187.45 ; SITE3.G9 249.85,187.93 ; SITE3.G9 250.81,187.93 ; D118.B6 173.53,81.28 ; D118.B6 172.72,82.09 ; D118.B6 172.72,80.47 ; D118.B6 171.91,81.28 ; D306.A9 401.32,64.21 ; D306.A9 402.03,63.5 ; D306.A9 401.32,62.79 ; D306.A9 400.61,63.5 ; 248.21,88.9 D321.B7 ; D321.B7 248.92,88.19 ; D321.B7 249.63,88.9 ; D321.B7 248.92,89.61 ; 260.91,71.12 D322.B12 ; D322.B12 261.62,70.41 ; D322.B12 261.62,71.83 ; D322.B12 262.33,71.12 ; 235.41,81.28 D122.B2 ; D122.B2 236.22,80.47 ; D122.B2 236.22,82.09 ; D122.B2 237.03,81.28 ; D120.B14 193.04,41.45 ; D120.B14 193.85,40.64 ; D120.B14 192.23,40.64 ; D120.B14 193.04,39.83 ; D305.B4 388.62,92.15 ; D305.B4 387.91,91.44 ; D305.B4 389.33,91.44 ; D305.B4 388.62,90.73 ; 337.82,329.39 D113.B5 ; D113.B5 337.01,330.2 ; D113.B5 338.63,330.2 ; D113.B5 337.82,331.01 ; 165.1,83.11 D317.A3 ; D317.A3 164.39,83.82 ; D317.A3 165.1,84.53 ; D317.A3 165.81,83.82 ; SITE4.G11 332.33,188.41 ; SITE4.G11 332.81,187.93 ; SITE4.G11 331.85,187.93 ; SITE4.G11 332.33,187.45 ; 96.46,175.46 UNK3U2.4 ; UNK3U2.4 98.34,175.46 ; UNK3U2.4 97.4,176.4 ; UNK3U2.4 97.4,174.52 ; 406.4,57.61 D107.B11 ; D107.B11 405.59,58.42 ; D107.B11 407.21,58.42 ; D107.B11 406.4,59.23 ; D125.A7 27.94,94.79 ; D125.A7 28.75,93.98 ; D125.A7 27.94,93.17 ; D125.A7 27.13,93.98 ; D112.B2 419.91,388.62 ; D112.B2 419.1,389.43 ; D112.B2 419.1,387.81 ; D112.B2 418.29,388.62 ; 193.04,377.65 D431.B4 ; D431.B4 193.04,379.27 ; D431.B4 192.23,378.46 ; D431.B4 193.85,378.46 ; D104.B2 309.88,41.45 ; D104.B2 309.07,40.64 ; D104.B2 309.88,39.83 ; D104.B2 310.69,40.64 ; 169.37,330.2 CSDPS229.C13 ; CSDPS229.C13 170.18,331.01 ; CSDPS229.C13 170.99,330.2 ; CSDPS229.C13 170.18,329.39 ; 39.83,96.52 D125.A12 ; D125.A12 40.64,97.33 ; D125.A12 40.64,95.71 ; D125.A12 41.45,96.52 ; D106.A15 417.37,73.66 ; D106.A15 416.56,74.47 ; D106.A15 416.56,72.85 ; D106.A15 415.75,73.66 ; 193.04,382.73 D431.A4 ; D431.A4 193.85,383.54 ; D431.A4 192.23,383.54 ; D431.A4 193.04,384.35 ; D115.B3 343.71,370.84 ; D115.B3 342.9,371.65 ; D115.B3 342.09,370.84 ; D115.B3 342.9,370.03 ; D132.B9 107.49,38.1 ; D132.B9 106.68,37.29 ; D132.B9 106.68,38.91 ; D132.B9 105.87,38.1 ; 187.96,60.15 D119.B12 ; D119.B12 188.77,60.96 ; D119.B12 187.96,61.77 ; D119.B12 187.15,60.96 ; 109.22,39.83 D132.B10 ; D132.B10 108.41,40.64 ; D132.B10 110.03,40.64 ; D132.B10 109.22,41.45 ; SITE2.G12 333.33,248.41 ; SITE2.G12 333.81,247.93 ; SITE2.G12 332.85,247.93 ; SITE2.G12 333.33,247.45 ; D431.B16 163.37,378.46 ; D431.B16 162.56,377.65 ; D431.B16 161.75,378.46 ; D431.B16 162.56,379.27 ; 251.46,60.15 D123.B8 ; D123.B8 250.65,60.96 ; D123.B8 251.46,61.77 ; D123.B8 252.27,60.96 ; 398.78,347.17 D110.B10 ; D110.B10 398.78,348.79 ; D110.B10 397.97,347.98 ; D110.B10 399.59,347.98 ; D125.B11 38.1,99.87 ; D125.B11 38.91,99.06 ; D125.B11 37.29,99.06 ; D125.B11 38.1,98.25 ; 251.46,342.09 CSDPS425.B10 ; CSDPS425.B10 251.46,343.71 ; CSDPS425.B10 250.65,342.9 ; CSDPS425.B10 252.27,342.9 ; 99.06,95.71 D129.A6 ; D129.A6 98.25,96.52 ; D129.A6 99.06,97.33 ; D129.A6 99.87,96.52 ; 342.09,78.74 D102.B15 ; D102.B15 342.9,79.55 ; D102.B15 342.9,77.93 ; D102.B15 343.71,78.74 ; D113.B8 330.2,328.47 ; D113.B8 330.2,326.85 ; D113.B8 329.39,327.66 ; D113.B8 331.01,327.66 ; 119.38,75.39 D130.A14 ; D130.A14 120.19,76.2 ; D130.A14 119.38,77.01 ; D130.A14 118.57,76.2 ; D107.B4 389.43,60.96 ; D107.B4 388.62,61.77 ; D107.B4 388.62,60.15 ; D107.B4 387.81,60.96 ; D125.A10 36.37,96.52 ; D125.A10 35.56,95.71 ; D125.A10 34.75,96.52 ; D125.A10 35.56,97.33 ; D104.B6 320.85,40.64 ; D104.B6 320.04,41.45 ; D104.B6 319.23,40.64 ; D104.B6 320.04,39.83 ; D130.B6 99.06,82.09 ; D130.B6 98.25,81.28 ; D130.B6 99.87,81.28 ; D130.B6 99.06,80.47 ; D130.B16 124.46,82.09 ; D130.B16 125.27,81.28 ; D130.B16 124.46,80.47 ; D130.B16 123.65,81.28 ; D301.A9 327.66,84.53 ; D301.A9 326.95,83.82 ; D301.A9 328.37,83.82 ; D301.A9 327.66,83.11 ; D115.A15 313.23,375.92 ; D115.A15 311.61,375.92 ; D115.A15 312.42,376.73 ; D115.A15 312.42,375.11 ; D431.A1 200.66,386.89 ; D431.A1 201.47,386.08 ; D431.A1 200.66,385.27 ; D431.A1 199.85,386.08 ; 332.74,88.19 D301.B11 ; D301.B11 333.45,88.9 ; D301.B11 332.74,89.61 ; D301.B11 332.03,88.9 ; D129.B13 116.84,99.87 ; D129.B13 116.03,99.06 ; D129.B13 116.84,98.25 ; D129.B13 117.65,99.06 ; D102.B12 335.28,82.09 ; D102.B12 334.47,81.28 ; D102.B12 336.09,81.28 ; D102.B12 335.28,80.47 ; 43.18,77.93 D126.B13 ; D126.B13 43.18,79.55 ; D126.B13 43.99,78.74 ; D126.B13 42.37,78.74 ; D110.A16 384.35,353.06 ; D110.A16 382.73,353.06 ; D110.A16 383.54,353.87 ; D110.A16 383.54,352.25 ; 325.12,347.17 D114.B10 ; D114.B10 325.93,347.98 ; D114.B10 324.31,347.98 ; D114.B10 325.12,348.79 ; 17.78,93.17 D125.A3 ; D125.A3 16.97,93.98 ; D125.A3 17.78,94.79 ; D125.A3 18.59,93.98 ; D305.A14 414.73,86.36 ; D305.A14 414.02,87.07 ; D305.A14 414.02,85.65 ; D305.A14 413.31,86.36 ; D129.B6 99.87,101.6 ; D129.B6 99.06,102.41 ; D129.B6 99.06,100.79 ; D129.B6 98.25,101.6 ; D113.A14 314.96,333.55 ; D113.A14 314.15,332.74 ; D113.A14 315.77,332.74 ; D113.A14 314.96,331.93 ; 182.88,60.15 D119.B10 ; D119.B10 183.69,60.96 ; D119.B10 182.88,61.77 ; D119.B10 182.07,60.96 ; D126.B8 30.48,82.09 ; D126.B8 29.67,81.28 ; D126.B8 31.29,81.28 ; D126.B8 30.48,80.47 ; 259.08,18.24 DPS3.C11 ; DPS3.C11 259.08,19.86 ; DPS3.C11 258.27,19.05 ; DPS3.C11 259.89,19.05 ; 311.61,38.1 D104.B3 ; D104.B3 313.23,38.1 ; D104.B3 312.42,38.91 ; D104.B3 312.42,37.29 ; 197.31,368.3 D231.B2 ; D231.B2 198.12,369.11 ; D231.B2 198.93,368.3 ; D231.B2 198.12,367.49 ; D111.A12 394.51,373.38 ; D111.A12 393.7,374.19 ; D111.A12 393.7,372.57 ; D111.A12 392.89,373.38 ; D116.A13 317.5,397.05 ; D116.A13 317.5,395.43 ; D116.A13 318.31,396.24 ; D116.A13 316.69,396.24 ; D115.A8 330.2,374.19 ; D115.A8 330.2,372.57 ; D115.A8 329.39,373.38 ; D115.A8 331.01,373.38 ; D111.B16 384.35,368.3 ; D111.B16 382.73,368.3 ; D111.B16 383.54,367.49 ; D111.B16 383.54,369.11 ; D125.B1 12.7,99.87 ; D125.B1 12.7,98.25 ; D125.B1 11.89,99.06 ; D125.B1 13.51,99.06 ; D119.B6 172.72,61.77 ; D119.B6 172.72,60.15 ; D119.B6 173.53,60.96 ; D119.B6 171.91,60.96 ; 190.5,72.85 D118.A13 ; D118.A13 191.31,73.66 ; D118.A13 189.69,73.66 ; D118.A13 190.5,74.47 ; D104.A15 342.9,33.83 ; D104.A15 343.71,33.02 ; D104.A15 342.09,33.02 ; D104.A15 342.9,32.21 ; D122.B14 267.51,81.28 ; D122.B14 266.7,82.09 ; D122.B14 266.7,80.47 ; D122.B14 265.89,81.28 ; 345.44,65.33 D302.A16 ; D302.A16 346.15,66.04 ; D302.A16 344.73,66.04 ; D302.A16 345.44,66.75 ; 263.35,58.42 D123.B13 ; D123.B13 264.16,57.61 ; D123.B13 264.97,58.42 ; D123.B13 264.16,59.23 ; 309.88,85.65 D301.A2 ; D301.A2 310.59,86.36 ; D301.A2 309.88,87.07 ; D301.A2 309.17,86.36 ; D127.A5 23.67,53.34 ; D127.A5 22.86,52.53 ; D127.A5 22.05,53.34 ; D127.A5 22.86,54.15 ; 15.24,95.71 D125.A2 ; D125.A2 15.24,97.33 ; D125.A2 16.05,96.52 ; D125.A2 14.43,96.52 ; D129.A15 121.92,94.79 ; D129.A15 122.73,93.98 ; D129.A15 121.11,93.98 ; D129.A15 121.92,93.17 ; 342.09,53.34 D103.A15 ; D103.A15 342.9,52.53 ; D103.A15 342.9,54.15 ; D103.A15 343.71,53.34 ; 175.26,375.11 D231.A11 ; D231.A11 175.26,376.73 ; D231.A11 174.45,375.92 ; D231.A11 176.07,375.92 ; SITE2.G19 331.91,246.43 ; SITE2.G19 330.95,246.43 ; SITE2.G19 331.43,246.91 ; SITE2.G19 331.43,245.95 ; D122.A4 241.3,77.01 ; D122.A4 242.11,76.2 ; D122.A4 240.49,76.2 ; D122.A4 241.3,75.39 ; D115.B16 310.69,368.3 ; D115.B16 309.88,367.49 ; D115.B16 309.88,369.11 ; D115.B16 309.07,368.3 ; D111.B14 389.43,368.3 ; D111.B14 388.62,367.49 ; D111.B14 388.62,369.11 ; D111.B14 387.81,368.3 ; 386.08,37.29 D108.B3 ; D108.B3 386.89,38.1 ; D108.B3 386.08,38.91 ; D108.B3 385.27,38.1 ; 198.12,372.57 D231.A2 ; D231.A2 198.93,373.38 ; D231.A2 197.31,373.38 ; D231.A2 198.12,374.19 ; 260.81,40.64 D124.B12 ; D124.B12 261.62,39.83 ; D124.B12 262.43,40.64 ; D124.B12 261.62,41.45 ; 110.95,58.42 D131.B11 ; D131.B11 111.76,57.61 ; D131.B11 111.76,59.23 ; D131.B11 112.57,58.42 ; 381,67.87 D306.B1 ; D306.B1 381.71,68.58 ; D306.B1 380.29,68.58 ; D306.B1 381,69.29 ; D306.B11 407.11,68.58 ; D306.B11 406.4,67.87 ; D306.B11 406.4,69.29 ; D306.B11 405.69,68.58 ; 185.42,52.53 D119.A11 ; D119.A11 185.42,54.15 ; D119.A11 186.23,53.34 ; D119.A11 184.61,53.34 ; D128.A6 26.21,35.56 ; D128.A6 25.4,36.37 ; D128.A6 24.59,35.56 ; D128.A6 25.4,34.75 ; 254,52.53 D123.A9 ; D123.A9 254.81,53.34 ; D123.A9 253.19,53.34 ; D123.A9 254,54.15 ; D321.A5 243.84,84.53 ; D321.A5 243.13,83.82 ; D321.A5 243.84,83.11 ; D321.A5 244.55,83.82 ; D120.A11 185.42,33.83 ; D120.A11 184.61,33.02 ; D120.A11 185.42,32.21 ; D120.A11 186.23,33.02 ; 15.24,80.47 D126.B2 ; D126.B2 15.24,82.09 ; D126.B2 16.05,81.28 ; D126.B2 14.43,81.28 ; 325.12,392.89 D116.A10 ; D116.A10 324.31,393.7 ; D116.A10 325.93,393.7 ; D116.A10 325.12,394.51 ; D305.B7 396.95,88.9 ; D305.B7 395.53,88.9 ; D305.B7 396.24,88.19 ; D305.B7 396.24,89.61 ; D131.A16 124.46,56.69 ; D131.A16 124.46,55.07 ; D131.A16 123.65,55.88 ; D131.A16